# KiCad board final-memory.kicad_pcb (continued)
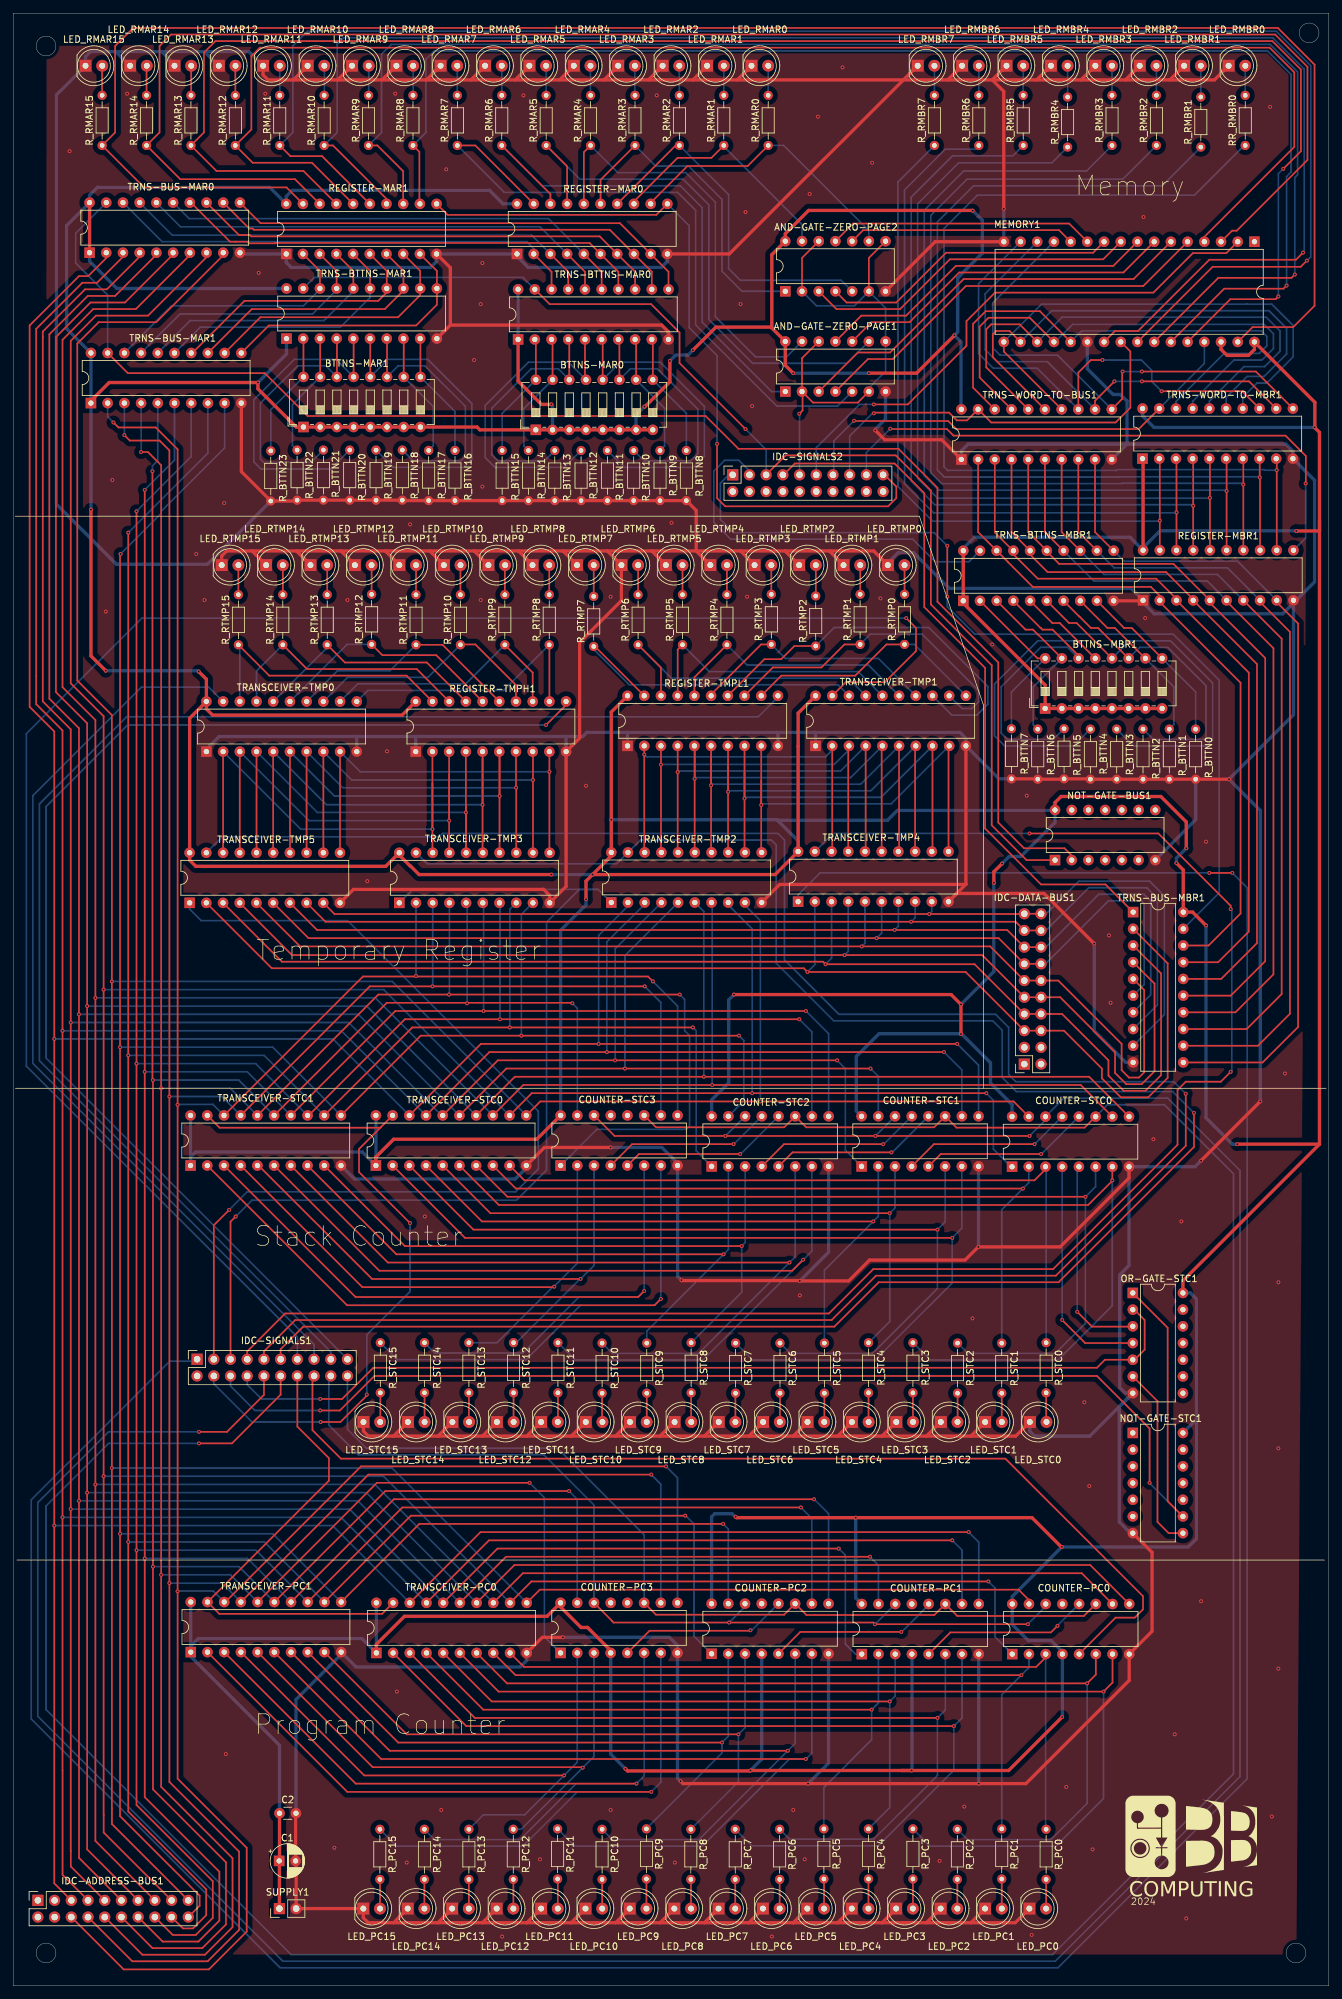
[diagram p0: board, top side]
## Routing (per net, layer and track width the routed paths; a pad name or vN(x,y) marks a point on that pad's centre or on a via; arc(x,y) is an arc through that point) (continued)
VCC: length 1854.4
  Top w0.5: v1(178.34,173.01) 178.33,173.02 178.33,177.01 174.46,180.87 159.29,180.87 158.38,179.95 NOT-GATE-BUS1.14 ; REGISTER-TMPH1.20 59.12,193.25 30.31,193.25 29.38,194.19 TRANSCEIVER-TMP0.20 ; BTTNS-MAR0.8 BTTNS-MAR0.7 BTTNS-MAR0.6 BTTNS-MAR0.5 BTTNS-MAR0.4 BTTNS-MAR0.3 BTTNS-MAR0.2 BTTNS-MAR0.1 70.95,236.63 70.52,237.06 BTTNS-MAR1.8 BTTNS-MAR1.7 BTTNS-MAR1.6 BTTNS-MAR1.5 BTTNS-MAR1.4 BTTNS-MAR1.3 BTTNS-MAR1.2 BTTNS-MAR1.1 43.02,237.06 37.21,242.87 v1(37.21,243.82) 14.59,243.82 11.83,241.06 TRNS-BUS-MAR1.1 ; 198.58,128 177.82,107.24 OR-GATE-STC1.14 ; 198.58,128 198.58,222.75 ; 198.58,128 v1(186.08,128) ; v1(88.08,169) 90.92,171.84 TRANSCEIVER-TMP2.20 v1(90.92,177.34) 90.92,193.72 REGISTER-TMPL1.20 ; v1(88.08,169) 87.08,168 v1(87.08,165.25) ; v1(88.08,169) 115.82,169 TRANSCEIVER-TMP4.20 119.32,188.5 119.33,188.5 119.33,193.55 TRANSCEIVER-TMP1.20 ; BTTNS-MBR1.8 BTTNS-MBR1.7 BTTNS-MBR1.6 BTTNS-MBR1.5 BTTNS-MBR1.4 BTTNS-MBR1.3 BTTNS-MBR1.2 BTTNS-MBR1.1 156.88,197.83 144.43,210.27 TRNS-BTTNS-MBR1.1 TRNS-BTTNS-MBR1.20 ; 115.32,252.12 AND-GATE-ZERO-PAGE1.14 117.38,246.45 v1(118.58,245.25) ; 115.32,252.12 115.19,252.25 106.83,252.25 v1(103.33,248.75) ; 115.32,252.12 115.32,263.27 AND-GATE-ZERO-PAGE2.14 117.38,266.45 120.92,270 145.83,270 v1(145.87,269.96) ; TRANSCEIVER-STC0.1 55.14,126.05 57.84,128.75 79.6,128.75 COUNTER-STC3.16 ; v1(14.08,200) 11.83,202.25 v1(11.83,224.5) ; v1(159.42,66.75) 159.33,66.75 154.88,71.2 v1(128.08,71.2) 109.95,71.2 v1(109.83,71.32) ; TRNS-WORD-TO-MBR1.1 171.76,232.17 REGISTER-MBR1.20 ; COUNTER-PC3.4 90.83,50.63 90.83,50.99 87.33,54.49 87.33,54.5 86.33,54.5 83.21,57.62 COUNTER-PC3.16 81.16,56.2 59.48,56.2 55.21,51.93 TRANSCEIVER-PC0.1 ; v1(150.33,170.68) 149.08,169.43 v1(149.08,167.75) ; 198.58,222.75 198.58,236.25 v1(197.83,237) 197.88,237.05 197.88,240.81 MEMORY1.32 188.69,248.86 187.78,247.95 184.53,247.95 183.61,248.87 MEMORY1.30 ; 198.58,222.75 198.58,221.25 v1(195.05,221.25) ; TRANSCEIVER-TMP0.20 29.38,198.7 v1(28.2,199.88) ; TRANSCEIVER-TMP0.20 26.83,192.77 TRANSCEIVER-TMP5.20 26.83,171.19 27.76,170.25 56.62,170.25 TRANSCEIVER-TMP3.20 58.7,171.96 60.39,170.27 60.43,170.27 61.7,169 v1(81.83,169) ; 135.08,32.75 151.33,32.75 v1(159.45,40.88) ; 135.08,32.75 v1(136.58,32.75) ; 135.08,32.75 v1(112.08,32.75) 112.01,32.68 93.4,32.68 v1(93.08,33) ; v1(143.08,251) 137.33,245.25 v1(130.08,245.25) ; v1(181.33,161.25) 179.29,163.29 TRNS-BUS-MBR1.20 177.87,169.71 v1(176.83,170.75) ; TRNS-BTTNS-MAR0.1 76.76,244.05 80.31,240.5 v1(81.83,240.5) ; TRNS-BUS-MAR0.20 TRNS-BUS-MAR0.1 ; C2.1 40.49,19.06 C1.1 40.48,18.96 SUPPLY1.1 ; v1(95.95,240.16) 96.04,240.16 99.83,243.94 v1(99.83,247.1) ; v1(144.08,144.75) v1(144.08,149.25) 142.58,150.75 v1(109.58,150.75)
  Bottom w0.5: BTTNS-MAR0.2 82,240.33 v1(81.83,240.5) ; COUNTER-STC2.16 106.18,134.74 108.78,137.34 108.78,149.95 v1(109.58,150.75) ; v1(197.83,237) 173.42,237 171.68,238.74 TRNS-WORD-TO-MBR1.20 ; BTTNS-MAR0.7 94.69,238.9 v1(95.95,240.16) ; TRNS-BTTNS-MAR1.20 15.75,258.13 11.62,262.27 TRNS-BUS-MAR0.1 ; v1(186.08,128) 185.33,128 181.33,132 v1(181.33,161.25) ; COUNTER-PC1.16 128.08,58.99 v1(128.08,71.2) ; COUNTER-PC3.4 90.83,35.25 v1(93.08,33) ; TRANSCEIVER-TMP4.20 119.32,174.12 116.1,177.34 ; COUNTER-PC1.4 136.62,32.79 v1(136.58,32.75) ; TRANSCEIVER-STC1.20 TRANSCEIVER-STC1.1 26.97,126.05 27.72,126.8 53.09,126.8 TRANSCEIVER-STC0.1 TRANSCEIVER-STC0.20 ; TRNS-BTTNS-MAR1.1 41.55,248.17 v1(37.21,243.82) ; v1(149.08,167.75) 149.08,154.25 v1(144.08,149.25) ; v1(103.33,248.75) 102.58,248 100.73,248 v1(99.83,247.1) ; v1(112.08,32.75) 113.79,34.46 COUNTER-PC2.4 ; TRNS-BTTNS-MBR1.20 144.43,218.61 146.12,220.3 169.78,220.3 REGISTER-MBR1.20 171.76,218.68 174.36,221.28 195.03,221.28 v1(195.05,221.25) ; TRANSCEIVER-PC1.20 TRANSCEIVER-PC1.1 ; TRANSCEIVER-PC1.1 27,51.67 28.13,52.8 53.04,52.8 TRANSCEIVER-PC0.1 TRANSCEIVER-PC0.20 ; TRANSCEIVER-PC1.1 27,50.08 40.49,36.59 C2.1 ; v1(176.83,170.75) 176.83,171.5 v1(178.34,173.01) ; v1(28.2,199.88) 28.08,200 v1(14.08,200) ; REGISTER-MAR0.20 74.46,271 72.41,273.05 42.43,273.05 41.51,272.13 REGISTER-MAR1.20 39.01,273.5 12.79,273.5 11.62,272.32 TRNS-BUS-MAR0.20 8.12,267.7 8.12,252.02 TRNS-BUS-MAR1.20 TRNS-BUS-MAR1.1 11.83,224.5 v1(11.83,224.5) ; v1(87.08,165.25) 87.08,164.38 83.22,160.52 COUNTER-STC3.16 ; 179.87,86.13 179.87,68 178.62,66.75 v1(159.42,66.75) 151.88,59.2 COUNTER-PC0.16 151.88,54.95 154.33,52.5 157.8,52.5 159.5,50.81 COUNTER-PC0.4 159.5,40.92 v1(159.45,40.88) ; 179.87,86.13 NOT-GATE-STC1.14 ; 179.87,86.13 179.87,104.46 178.95,105.38 OR-GATE-STC1.14 ; COUNTER-STC1.16 128.17,133.04 128.17,141.34 131.63,144.8 144.03,144.8 v1(144.08,144.75) 144.13,144.8 144.14,144.8 148.57,140.38 148.57,137.3 151.84,134.02 COUNTER-STC0.16 ; TRNS-WORD-TO-BUS1.20 144.08,239.81 144.08,250 v1(143.08,251) 143.58,251.5 143.58,259.75 147.33,263.5 147.33,268.5 v1(145.87,269.96) ; v1(88.08,169) v1(81.83,169) ; 116.1,177.34 116.19,177.25 132.91,177.25 134.41,178.75 158.31,178.75 NOT-GATE-BUS1.14 158.38,176.93 153.19,171.75 151.4,171.75 v1(150.33,170.68) ; 116.1,177.34 v1(90.92,177.34) ; v1(118.58,245.25) v1(130.08,245.25) ; COUNTER-PC2.16 106.17,71.34 106.63,71.8 109.28,71.8 109.75,71.32 v1(109.83,71.32) ; TRNS-BTTNS-MAR0.20 TRNS-BTTNS-MAR0.1
ADDRESS0: length 602.7
  Top w0.25: TRANSCEIVER-PC0.11 80.07,60.25 152.84,60.25 154.41,58.67 COUNTER-PC0.15 ; COUNTER-STC0.15 152.07,134.5 80.13,134.5 TRANSCEIVER-STC0.11 ; IDC-ADDRESS-BUS1.19 15.01,24.61 15.01,26.99 15,27 15,193.25 9.75,198.5 9.75,249.75 13,253 21.75,253 31.94,263.19 TRNS-BUS-MAR0.9
  Bottom w0.25: v1(15,152.75) 57.62,152.75 TRANSCEIVER-STC0.11 ; TRANSCEIVER-TMP2.9 111.24,164.34 113.58,162 v1(113.58,134.5) ; v1(15,78.75) 57.57,78.75 TRANSCEIVER-PC0.11
ADDRESS1: length 613.4
  Top w0.25: v1(148.25,61.5) 78.78,61.5 TRANSCEIVER-PC0.12 ; TRNS-BUS-MAR0.8 29.39,262.89 20.5,254 12.59,254 8.75,250.16 8.75,198.09 13.75,193.09 13.75,26 13.76,25.99 13.76,23.32 IDC-ADDRESS-BUS1.17 ; v1(147.93,135.75) 78.84,135.75 TRANSCEIVER-STC0.12
  Bottom w0.25: COUNTER-STC0.1 151.68,124.57 149,127.25 149,134.68 v1(147.93,135.75) ; TRANSCEIVER-PC0.12 56.28,77.5 v1(13.75,77.5) ; v1(148.25,61.5) 149.25,60.5 149.25,53.07 COUNTER-PC0.1 ; v1(13.75,151.5) 56.33,151.5 TRANSCEIVER-STC0.12 ; v1(112.33,135.75) 112.33,160.75 108.7,164.38 TRANSCEIVER-TMP2.8
ADDRESS2: length 627.8
  Top w0.25: TRANSCEIVER-STC0.13 77.55,137 v1(106.25,137) 162.28,137 COUNTER-STC0.10 ; TRANSCEIVER-PC0.13 77.49,62.75 162.44,62.75 COUNTER-PC0.10 ; TRNS-BUS-MAR0.7 26.86,263.21 18.64,255 12.17,255 7.5,250.33 7.5,197.5 12.5,192.5 12.5,22.04 IDC-ADDRESS-BUS1.15
  Bottom w0.25: TRANSCEIVER-TMP2.7 106.25,164.66 v1(106.25,137) ; v1(12.5,76.25) 54.99,76.25 TRANSCEIVER-PC0.13 ; v1(12.5,150.25) 55.04,150.25 TRANSCEIVER-STC0.13
ADDRESS3: length 633.7
  Top w0.25: COUNTER-PC0.9 163.72,64 76.2,64 TRANSCEIVER-PC0.14 ; COUNTER-STC0.9 163.56,138.25 76.26,138.25 TRANSCEIVER-STC0.14 ; IDC-ADDRESS-BUS1.13 11.25,20.75 11.25,192 6.5,196.75 6.5,250.74 11.76,256 17,256 24.31,263.31 TRNS-BUS-MAR0.6
  Bottom w0.25: TRANSCEIVER-PC0.14 53.7,75 v1(11.25,75) ; v1(105,138.25) 105,163.37 TRANSCEIVER-TMP2.6 ; v1(11.25,149) 53.75,149 TRANSCEIVER-STC0.14
ADDRESS4: length 567.6
  Top w0.25: v1(130.25,65.25) 74.91,65.25 TRANSCEIVER-PC0.15 ; TRNS-BUS-MAR0.5 21.78,263.27 15.5,257 11.34,257 5.5,251.16 5.5,195.75 10,191.25 10,33.25 ; v1(130.33,139.5) 74.97,139.5 TRANSCEIVER-STC0.15 ; 10.01,33.24 10.01,19.45 IDC-ADDRESS-BUS1.11
  Bottom w0.25: TRANSCEIVER-STC0.15 52.46,147.75 v1(10,147.75) ; v1(130.25,65.25) 131.54,63.96 COUNTER-PC1.15 ; v1(93,139.5) 93,156.67 TRANSCEIVER-TMP2.5 ; v1(10,73.75) 52.41,73.75 TRANSCEIVER-PC0.15 ; COUNTER-STC1.15 131.51,138.32 v1(130.33,139.5)
ADDRESS5: length 576.9
  Top w0.25: TRANSCEIVER-STC0.16 73.68,140.75 v1(125.25,140.75) ; IDC-ADDRESS-BUS1.9 8.76,18.16 8.76,20.49 8.75,20.5 8.75,191.09 4.5,195.34 4.5,251.57 10.93,258 14.25,258 19.23,262.99 TRNS-BUS-MAR0.4 ; v1(125.5,66.5) 73.62,66.5 TRANSCEIVER-PC0.16
  Bottom w0.25: v1(8.75,146.5) 51,146.5 65.13,132.37 ; TRANSCEIVER-PC0.16 51.12,72.5 v1(8.75,72.5) ; v1(125.5,66.5) 126.5,65.5 126.5,52 128.05,50.45 COUNTER-PC1.1 ; COUNTER-STC1.1 126.5,127.09 126.5,139.5 v1(125.25,140.75) ; TRANSCEIVER-TMP2.4 91.5,157.71 v1(91.5,140.75)
ADDRESS6: length 594.8
  Top w0.25: 7.51,32.74 7.51,16.87 IDC-ADDRESS-BUS1.7 ; TRNS-BUS-MAR0.3 16.7,262.94 12.75,259 10.51,259 3.5,251.99 3.5,199.25 3.5,194.92 7.5,190.92 7.5,32.75 ; TRANSCEIVER-STC0.17 72.39,142 v1(141.5,142) ; TRANSCEIVER-PC0.17 72.33,67.75 v1(142.75,67.75)
  Bottom w0.25: COUNTER-PC1.10 144.24,66.26 v1(142.75,67.75) ; v1(90.25,142) 90.25,158.75 96,164.5 TRANSCEIVER-TMP2.3 ; v1(7.5,71.25) 49.83,71.25 TRANSCEIVER-PC0.17 ; TRANSCEIVER-STC0.17 49.88,145.25 v1(7.5,145.25) ; COUNTER-STC1.10 144.21,139.29 v1(141.5,142)
ADDRESS7: length 601
  Top w0.25: TRNS-BUS-MAR0.2 14.16,262.76 11.4,260 10,260 2.5,252.5 2.5,194.51 6.25,190.76 6.25,15.59 IDC-ADDRESS-BUS1.5 ; TRANSCEIVER-PC0.18 71.04,69 v1(145.25,69) ; TRANSCEIVER-STC0.18 71.1,143.25 v1(143.5,143.25)
  Bottom w0.25: TRANSCEIVER-STC0.18 48.59,144 v1(6.25,144) ; TRANSCEIVER-PC0.18 48.54,70 v1(6.25,70) ; COUNTER-PC1.9 146.78,67.47 v1(145.25,69) ; v1(143.5,143.25) 146.75,140 COUNTER-STC1.9 ; v1(89,143.25) 89,159.75 93.46,164.21 TRANSCEIVER-TMP2.2
ADDRESS8: length 493.8
  Top w0.25: TRANSCEIVER-STC1.11 61.96,144.5 v1(110.33,144.5) ; v1(107.92,70.25) 61.74,70.25 TRANSCEIVER-PC1.11 ; v1(16.33,217.75) 16.25,217.68 v1(16.25,142.75) v1(16.25,68.75) 16.25,25.81 28.34,13.71 28.34,12.19 IDC-ADDRESS-BUS1.20
  Bottom w0.25: v1(16.25,142.75) 39.45,142.75 TRANSCEIVER-STC1.11 ; TRANSCEIVER-PC1.11 39.48,68.75 v1(16.25,68.75) ; v1(107.92,70.25) 108.71,69.46 COUNTER-PC2.15 ; v1(110.33,144.5) 111.08,143.75 111.08,134.6 COUNTER-STC2.15 ; TRANSCEIVER-TMP3.9 77.25,162.94 v1(77.25,144.5) ; TRNS-BUS-MAR1.9 32.14,233.89 22.5,224.25 22.5,223.93 v1(16.33,217.75)
ADDRESS9: length 500.1
  Top w0.25: v1(17.5,221) v1(17.5,141.5) v1(17.5,67.5) 17.5,26.51 29.34,14.67 29.34,10.75 27.33,8.74 25.81,8.74 IDC-ADDRESS-BUS1.18 ; v1(102.16,71.5) 60.45,71.5 TRANSCEIVER-PC1.12 ; TRANSCEIVER-STC1.12 60.67,145.75 v1(103.33,145.75)
  Bottom w0.25: v1(17.5,221) 29.61,233.11 TRNS-BUS-MAR1.8 ; v1(17.5,67.5) 38.19,67.5 TRANSCEIVER-PC1.12 ; COUNTER-PC2.1 103.5,53.17 103.5,70.25 102.25,71.5 v1(102.16,71.5) ; COUNTER-STC2.1 104.33,126.47 104.33,126.5 103.82,127 103.82,145.25 v1(103.33,145.75) ; TRANSCEIVER-TMP3.8 75.5,163.72 v1(75.5,145.75) ; v1(17.5,141.5) 38.16,141.5 TRANSCEIVER-STC1.12
ADDRESS10: length 518.5
  Top w0.25: IDC-ADDRESS-BUS1.16 24.27,7.74 27.75,7.74 30.34,10.33 30.34,15.92 18.75,27.51 v1(18.75,66.25) v1(18.75,140.25) v1(18.75,224.25) ; TRANSCEIVER-PC1.13 59.16,72.75 v1(119.75,72.75) ; TRANSCEIVER-STC1.13 44.92,132.37 59.55,147 v1(119.5,147)
  Bottom w0.25: TRNS-BUS-MAR1.7 27.06,232.56 v1(18.75,224.25) ; COUNTER-STC2.10 121.42,145.08 v1(119.5,147) ; v1(119.75,72.75) 121.41,71.09 COUNTER-PC2.10 ; v1(18.75,66.25) 36.9,66.25 TRANSCEIVER-PC1.13 ; v1(74,147) 74,164.63 TRANSCEIVER-TMP3.7 ; v1(18.75,140.25) 36.87,140.25 TRANSCEIVER-STC1.13
ADDRESS11: length 524.1
  Top w0.25: TRANSCEIVER-PC1.14 57.87,74 v1(121.75,74) ; TRANSCEIVER-STC1.14 58.09,148.25 v1(120.5,148.25) ; IDC-ADDRESS-BUS1.14 22.73,6.74 28.16,6.74 31.34,9.92 31.34,17.35 20,28.7 v1(20,227.5)
  Bottom w0.25: v1(20,139) 35.58,139 TRANSCEIVER-STC1.14 ; TRNS-BUS-MAR1.6 24.53,232.03 v1(20,227.5) ; TRANSCEIVER-TMP3.6 71.5,164.59 v1(71.5,148.25) ; TRANSCEIVER-PC1.14 35.61,65 v1(20,65) ; v1(120.5,148.25) 123.96,144.79 COUNTER-STC2.9 ; COUNTER-PC2.9 123.95,71.8 v1(121.75,74)
ADDRESS12: length 451.5
  Top w0.25: v1(85,149.43) 84.93,149.5 56.8,149.5 TRANSCEIVER-STC1.15 ; v1(84.5,75.25) 56.58,75.25 TRANSCEIVER-PC1.15 ; v1(21.17,230.33) 21.17,230.32 21.17,137.82 v1(21.25,137.75) v1(21.25,63.75) 21.25,29.88 32.34,18.79 32.34,9.33 28.75,5.74 21.19,5.74 IDC-ADDRESS-BUS1.12
  Bottom w0.25: TRNS-BUS-MAR1.5 21.98,231.99 21.17,231.17 v1(21.17,230.33) ; v1(21.25,63.75) 34.32,63.75 TRANSCEIVER-PC1.15 ; v1(21.25,137.75) 34.29,137.75 TRANSCEIVER-STC1.15 ; v1(85,149.43) 85.76,148.66 COUNTER-STC3.15 ; COUNTER-PC3.15 85.75,74 v1(84.5,75.25) ; v1(69,149.43) 69,164.56 TRANSCEIVER-TMP3.5
ADDRESS13: length 499.6
  Top w0.25: TRANSCEIVER-PC1.16 55.29,76.5 v1(78.5,76.5) ; v1(101.33,150.75) 55.51,150.75 TRANSCEIVER-STC1.16 ; v1(19.45,233.25) 20.5,233.25 22.5,231.25 v1(22.5,136.5) v1(22.5,62.5) 22.5,30.26 33.34,19.42 33.34,8.92 29.16,4.74 19.64,4.74 IDC-ADDRESS-BUS1.10
  Bottom w0.25: v1(19.45,233.25) TRNS-BUS-MAR1.4 ; TRANSCEIVER-PC1.16 33.03,62.5 v1(22.5,62.5) ; TRANSCEIVER-TMP3.4 66.31,150.81 v1(66.25,150.75) ; v1(101.33,150.75) 102.08,150 102.08,145.25 102.82,144.5 102.82,130.75 102.33,130.25 88.72,130.25 COUNTER-STC3.1 ; v1(78.5,76.5) 80.75,74.25 80.75,53.09 COUNTER-PC3.1 ; TRANSCEIVER-STC1.16 33,136.5 v1(22.5,136.5)
ADDRESS14: length 487.3
  Top w0.25: TRANSCEIVER-STC1.17 54.22,152 v1(96,152) ; v1(97,77.75) 54,77.75 TRANSCEIVER-PC1.17 ; IDC-ADDRESS-BUS1.8 18.11,3.74 29.57,3.74 34.34,8.51 34.34,20.42 23.75,31.01 v1(23.75,61.25) v1(23.75,135.25) 23.75,233.5 22.25,235 17.73,235 v1(16.91,235.82)
  Bottom w0.25: v1(96,152) 98.46,149.54 COUNTER-STC3.10 ; v1(97,77.75) 98.45,76.3 COUNTER-PC3.10 ; TRANSCEIVER-STC1.17 31.71,135.25 v1(23.75,135.25) ; TRANSCEIVER-PC1.17 31.74,61.25 v1(23.75,61.25) ; v1(16.91,235.82) TRNS-BUS-MAR1.3 ; v1(63.75,152) 63.78,152.03 TRANSCEIVER-TMP3.3
ADDRESS15: length 496.9
  Top w0.25: v1(99.25,79) 52.88,79 32.25,58.37 TRANSCEIVER-PC1.18 ; v1(15.25,237.75) 16,237 21.66,237 25,233.66 v1(25,134) v1(25,60) 25,31.5 35.5,21 35.5,8.25 29.75,2.5 16.8,2.5 IDC-ADDRESS-BUS1.6 ; TRANSCEIVER-STC1.18 53.18,153.5 61.16,153.5 v1(61.23,153.57) 61.31,153.5 96.5,153.5 v1(97.25,152.75)
  Bottom w0.25: TRANSCEIVER-PC1.18 30.41,60.05 25.05,60.05 ; v1(99.25,79) 100.99,77.26 COUNTER-PC3.9 ; v1(25,134) 25.05,134.04 30.38,134.04 TRANSCEIVER-STC1.18 ; v1(97.25,152.75) 101,149 COUNTER-STC3.9 ; v1(61.23,153.57) TRANSCEIVER-TMP3.2 ; v1(15.25,237.75) 14.37,238.63 TRNS-BUS-MAR1.2
DATA0: length 158.3
  Top w0.25: IDC-DATA-BUS1.20 IDC-DATA-BUS1.19 153.67,163 v1(139.25,163) 48.84,163 TRANSCEIVER-TMP5.9
  Bottom w0.25: TRANSCEIVER-TMP4.9 139.65,163.4 v1(139.25,163) ; TRNS-BUS-MBR1.9 175,147.72 175,165.74 172.74,168 162,168 157.04,163.04 IDC-DATA-BUS1.20
DATA1: length 159.1
  Top w0.25: IDC-DATA-BUS1.18 IDC-DATA-BUS1.17 152.38,161.82 v1(136.5,161.82) 47.48,161.82 TRANSCEIVER-TMP5.8
  Bottom w0.25: TRNS-BUS-MBR1.8 173.93,149.19 173.93,165.4 172.33,167 163.5,167 157,160.5 IDC-DATA-BUS1.18 ; v1(136.5,161.82) 137.1,162.43 TRANSCEIVER-TMP4.8
DATA2: length 160
  Top w0.25: TRANSCEIVER-TMP5.7 46.19,160.57 v1(134,160.57) 151.09,160.57 IDC-DATA-BUS1.15 IDC-DATA-BUS1.16
  Bottom w0.25: TRNS-BUS-MBR1.7 172.93,150.72 172.93,164.99 171.91,166 165,166 156.96,157.96 IDC-DATA-BUS1.16 ; v1(134,160.57) 134.56,161.14 TRANSCEIVER-TMP4.7
DATA3: length 160.9
  Top w0.25: TRANSCEIVER-TMP5.6 44.9,159.32 v1(131.25,159.32) 149.81,159.32 IDC-DATA-BUS1.13 IDC-DATA-BUS1.14
  Bottom w0.25: v1(131.25,159.32) 132.03,160.1 TRANSCEIVER-TMP4.6 ; IDC-DATA-BUS1.14 156.92,155.42 166.5,165 171.5,165 171.93,164.57 171.93,152.26 TRNS-BUS-MBR1.6
DATA4: length 170.5
  Top w0.25: TRANSCEIVER-TMP5.5 43.61,158.07 v1(129,158.07) 148.52,158.07 IDC-DATA-BUS1.11 IDC-DATA-BUS1.12 158.87,152.88 168.5,143.25 168.5,139.25 169.62,138.12 171.12,138.12 171.93,138.93 171.93,151.46 TRNS-BUS-MBR1.5
  Bottom w0.25: v1(129,158.07) 129.49,158.56 TRANSCEIVER-TMP4.5
DATA5: length 179.4
  Top w0.25: TRANSCEIVER-TMP5.4 42.39,156.75 v1(126.39,156.75) 147.3,156.75 IDC-DATA-BUS1.9 IDC-DATA-BUS1.10 159.16,150.34 167.5,142 167.5,138.84 169.21,137.12 171.54,137.12 173.5,139.09 173.5,152.42 TRNS-BUS-MBR1.4
  Bottom w0.25: TRANSCEIVER-TMP4.4 126.94,157.31 v1(126.39,156.75)
DATA6: length 188.1
  Top w0.25: TRNS-BUS-MBR1.3 174.5,153.96 174.5,138.5 172.12,136.12 168.8,136.12 166.5,138.42 166.5,140.75 159.45,147.8 IDC-DATA-BUS1.8 IDC-DATA-BUS1.7 146.15,155.37 v1(123.5,155.37) 123.12,155.75 40.86,155.75 TRANSCEIVER-TMP5.3
  Bottom w0.25: v1(123.5,155.37) 124.41,156.27 TRANSCEIVER-TMP4.3
DATA7: length 196.5
  Top w0.25: TRANSCEIVER-TMP5.2 39.31,154.75 120.19,154.75 v1(120.75,154.19) 144.78,154.19 IDC-DATA-BUS1.5 IDC-DATA-BUS1.6 159.74,145.26 165.5,139.5 165.5,138.01 168.38,135.12 172.54,135.12 175.5,138.09 175.5,155.5 TRNS-BUS-MBR1.2
  Bottom w0.25: v1(120.75,154.19) 121.87,155.31 TRANSCEIVER-TMP4.2
MEM_PART: length 83.4
  Top w0.25: MEMORY1.2 184.41,263.5 179.33,263.5 173.33,257.5 149.25,257.5 144.91,253.16 144.91,249.41 136,240.5 v1(130.83,240.5)
  Bottom w0.25: IDC-SIGNALS2.11 122.08,233.93 128.65,240.5 v1(130.83,240.5)
PC0: length 110.1
  Top w0.25: TRANSCEIVER-PC0.9 77.66,48.5 155.5,48.5 156.96,49.95 COUNTER-PC0.3
  Bottom w0.25: R_PC0.1 156.96,23.88 COUNTER-PC0.3
PC1: length 110
  Top w0.25: v1(153.25,47.25) 76.37,47.25 TRANSCEIVER-PC0.8
  Bottom w0.25: R_PC1.1 150.28,44.27 v1(153.25,47.25) 154.41,48.42 COUNTER-PC0.2
PC2: length 140.6
  Top w0.25: TRANSCEIVER-PC0.7 75.08,46 v1(163.25,46) 164.57,47.32 COUNTER-PC0.6
  Bottom w0.25: R_PC2.1 145.1,22.24 157.74,22.24 163.25,27.75 v1(163.25,46)
PC3: length 155.9
  Top w0.25: TRANSCEIVER-PC0.6 73.79,44.75 v1(165.75,44.75) 167.12,46.12 COUNTER-PC0.7
  Bottom w0.25: v1(165.75,44.75) 165.75,28.5 158.49,21.24 139.41,21.24 R_PC3.1
PC4: length 99.2
  Top w0.25: v1(133.25,43.25) 72.75,43.25 TRANSCEIVER-PC0.5
  Bottom w0.25: R_PC4.1 133.25,27.11 v1(133.25,43.25) 134.08,44.08 COUNTER-PC1.3
PC5: length 101.3
  Top w0.25: v1(130.5,42) 71.46,42 TRANSCEIVER-PC0.4
  Bottom w0.25: R_PC5.1 123.24,30.16 130.5,37.42 v1(130.5,42) 131.54,43.04 COUNTER-PC1.2
PC6: length 131.9
  Top w0.25: v1(140.5,40.75) 70.17,40.75 TRANSCEIVER-PC0.3
  Bottom w0.25: R_PC6.1 118.03,22.3 130.8,22.3 140.5,32 v1(140.5,40.75) 141.7,41.95 COUNTER-PC1.6
PC7: length 147.1
  Top w0.25: TRANSCEIVER-PC0.2 68.88,39.5 v1(143,39.5)
  Bottom w0.25: R_PC7.1 112.28,21.3 131.5,21.3 143,32.8 v1(143,39.5) 144.24,40.74 COUNTER-PC1.7
PC8: length 98.2
  Top w0.25: TRANSCEIVER-PC1.9 59.82,38.25 v1(110.25,38.25)
  Bottom w0.25: COUNTER-PC2.3 111.25,39.25 v1(110.25,38.25) 110.25,31.05 R_PC8.1
PC9: length 100.5
  Top w0.25: v1(107.75,37) 58.53,37 TRANSCEIVER-PC1.8
  Bottom w0.25: R_PC9.1 96.27,23.94 107.75,35.42 v1(107.75,37) 108.71,37.96 COUNTER-PC2.2
PC10: length 131.4
  Top w0.25: v1(117.75,35.75) 57.24,35.75 TRANSCEIVER-PC1.7
  Bottom w0.25: R_PC10.1 91.1,22.24 104.24,22.24 v1(117.75,35.75) 118.87,36.87 COUNTER-PC2.6
PC11: length 148.2
  Top w0.25: TRANSCEIVER-PC1.6 55.95,34.5 v1(120.5,34.5)
  Bottom w0.25: R_PC11.1 85.4,21.24 104.74,21.24 118,34.5 v1(120.5,34.5) 121.41,35.41 COUNTER-PC2.7
PC12: length 89.3
  Top w0.25: v1(86.58,33.17) 86.5,33.25 54.66,33.25 TRANSCEIVER-PC1.5
  Bottom w0.25: R_PC12.1 77.22,23.81 v1(86.58,33.17) 88.29,34.88 COUNTER-PC3.3
PC13: length 94.2
  Top w0.25: v1(83.75,32) 53.37,32 TRANSCEIVER-PC1.4
  Bottom w0.25: R_PC13.1 71.47,26 77.75,26 v1(83.75,32) 85.75,34 COUNTER-PC3.2
PC14: length 127.7
  Top w0.25: TRANSCEIVER-PC1.3 52.08,30.75 v1(94.75,30.75)
  Bottom w0.25: R_PC14.1 64.09,22.24 77.06,22.24 85.58,30.75 v1(94.75,30.75) 95.91,31.91 COUNTER-PC3.6
PC15: length 143.7
  Top w0.25: TRANSCEIVER-PC1.2 50.79,29.5 v1(97,29.5)
  Bottom w0.25: COUNTER-PC3.7 98.45,30.95 v1(97,29.5) 85.75,29.5 77.48,21.24 58.31,21.24 R_PC15.1
PC_RST: length 147.5
  Top w0.25: COUNTER-PC3.14 91,55.54 91,55.5 91.25,55.25 v1(108.83,55.25) 130.75,55.25 v1(131,55) v1(154.25,55)
  Bottom w0.25: IDC-SIGNALS1.18 48,92.47 48,85.25 52.5,80.75 80.66,80.75 88.29,73.12 COUNTER-PC3.14 ; COUNTER-PC0.14 156.96,57.7 v1(154.25,55) ; COUNTER-PC2.14 111.25,57.67 v1(108.83,55.25) ; COUNTER-PC1.14 131.01,55 v1(131,55)
PC_TICK: length 159.6
  Top w0.25: IDC-SIGNALS1.16 45.5,92.51 45.5,84.5 49.83,80.18 150.82,80.18 171.75,59.25 171.75,57.25 170.5,56 167.59,56 COUNTER-PC0.5
REG_MAR_LOAD: length 117.1
  Top w0.25: IDC-SIGNALS2.19 132.46,229.79 134.25,228 134.25,226.25 133,225 108.25,225 107,226.25 v1(107,234.5) ; REGISTER-MAR1.11 66.05,269.32 97.78,269.32 REGISTER-MAR0.11
  Bottom w0.25: v1(107,234.5) 107,247.92 102.75,252.17 102.75,267.7 REGISTER-MAR0.11
REG_MBR_LOAD: length 88.5
  Top w0.25: v1(196.48,228.48) 196.5,228.5 196.5,232.66 193.41,235.75 142.94,235.75 141.94,236.75 133.37,236.75 v1(133.32,236.8)
  Bottom w0.25: v1(133.32,236.8) 129.7,233.17 IDC-SIGNALS2.17 ; REGISTER-MBR1.11 196.48,220.18 v1(196.48,228.48)
REG_MBR_WORD_DIR: length 106.7
  Top w0.25: TRNS-BUS-MBR1.1 166.04,167.5 156.25,167.5 147.75,176 147.75,200.42 138.5,209.67 138.5,227 133.99,231.51 118.83,231.51 117.1,229.79 IDC-SIGNALS2.7
REG_TMP_ADDRESS_DIR: length 153.7
  Top w0.25: v1(33.83,117) 33.04,116.21 IDC-SIGNALS1.5
  Bottom w0.25: TRANSCEIVER-TMP3.1 60.75,166.75 88.92,166.75 ; TRANSCEIVER-TMP2.1 88.92,166.75 ; 88.92,166.75 86.08,166.75 81.08,161.75 81.08,124.05 76.53,119.5 36.33,119.5 v1(33.83,117)
REG_TMPH_DATA_DIR: length 148.7
  Top w0.25: v1(32.83,118) 30.5,115.67 IDC-SIGNALS1.3
  Bottom w0.25: v1(32.83,118) 35.58,120.75 76.37,120.75 79.83,124.21 79.83,133 50.83,162 28.58,162 26.83,163.75 TRANSCEIVER-TMP5.1
REG_TMPH_LOAD: length 189
  Top w0.25: REGISTER-TMPH1.11 84.06,194.81 v1(81,191.75)
  Bottom w0.25: v1(81,191.75) 17.41,191.75 5,179.34 5,141.11 IDC-SIGNALS1.19
REG_TMPL_DATA_DIR: length 486.5
  Top w0.25: v1(185.33,169.25) v1(181.83,169.25)
  Bottom w0.25: v1(185.33,169.25) 187.58,167 187.58,31.5 158.83,2.75 40.58,2.75 2.75,40.58 2.75,73.91 23.84,95 27.67,95 ; v1(181.83,169.25) 122.65,169.25 119.32,165.93 TRANSCEIVER-TMP4.1
REG_TMPL_LOAD: length 222
  Bottom w0.25: REGISTER-TMPL1.11 116.25,195.97 113.28,193 17.25,193 4,179.75 4,140.7 48.28,96.42 IDC-SIGNALS1.17
RMAR0: length 43.9
  Top w0.25: R_RMAR0.1 111.65,276.75 102.5,276.75 96.91,271.16 REGISTER-MAR0.12
  Bottom w0.25: R_RMAR0.1 117.12,279.88 130.07,266.93 AND-GATE-ZERO-PAGE2.9
RMAR1: length 37
  Top w0.25: REGISTER-MAR0.13 94.37,271.37 101,278 106.15,278 R_RMAR1.1
  Bottom w0.25: AND-GATE-ZERO-PAGE2.13 119.91,267.83 108.03,279.73 R_RMAR1.1
RMAR2: length 54.6
  Top w0.25: REGISTER-MAR0.14 100.71,279.88
  Bottom w0.25: R_RMAR2.1 108.75,272.4 108.75,261.16 110.54,259.38 125.86,259.38 AND-GATE-ZERO-PAGE2.5
RMAR3: length 49.5
  Top w0.25: R_RMAR3.1 89.29,274.64 REGISTER-MAR0.15
  Bottom w0.25: R_RMAR3.1 97.66,276.75 102.66,276.75 107.75,271.66 107.75,260.75 110.8,257.7 AND-GATE-ZERO-PAGE2.1
RMAR4: length 65.9
  Top w0.25: REGISTER-MAR0.16 86.75,278.86 R_RMAR4.1
  Bottom w0.25: R_RMAR4.1 91.91,275.75 102.24,275.75 106.75,271.24 106.75,253.83 112.83,247.75 117.59,247.75 AND-GATE-ZERO-PAGE1.13
RMAR5: length 84.5
  Top w0.25: R_RMAR5.1 84.21,276.69 REGISTER-MAR0.17
  Bottom w0.25: R_RMAR5.1 86.16,274.75 101.83,274.75 105.75,270.83 105.75,253.41 112.41,246.75 126.75,246.75 AND-GATE-ZERO-PAGE1.9
RMAR6: length 80.7
  Top w0.25: R_RMAR6.1 81.67,272.49 REGISTER-MAR0.18
  Bottom w0.25: R_RMAR6.1 80.41,273.75 101.41,273.75 104.75,270.41 104.75,253 115.3,242.45 AND-GATE-ZERO-PAGE1.1
RMAR7: length 102.8
  Top w0.25: R_RMAR7.1 70.25,279.88 REGISTER-MAR0.19
  Bottom w0.25: AND-GATE-ZERO-PAGE1.5 125.34,240.25 116.09,240.25 103.75,252.59 103.75,270 101,272.75 74.66,272.75 R_RMAR7.1
RMAR8: length 210.3
  Top w0.25: v1(193.58,258.57) 193.1,258.1 184.09,258.1 MEMORY1.27 ; REGISTER-MAR1.12 61.75,271.08 61.75,278.9 R_RMAR8.1
  Bottom w0.25: v1(193.58,258.57) 193.58,275.17 194.25,275.84 194.25,290.67 190.67,294.25 64,294.25 62.75,293 62.75,281.86 R_RMAR8.1
RMAR9: length 224.8
  Top w0.25: v1(194.83,260.25) 194.33,259.75 183.2,259.75 MEMORY1.26 ; REGISTER-MAR1.13 59.29,275.96 55.37,279.88 R_RMAR9.1
  Bottom w0.25: v1(194.83,260.25) 194.83,275 195.25,275.43 195.25,291.09 191.09,295.25 57.5,295.25 56,293.75 56,281.86 R_RMAR9.1
RMAR10: length 243
  Top w0.25: R_RMAR10.1 48.62,279.88 56.75,271.75 REGISTER-MAR1.14 ; MEMORY1.23 167.5,251.68 171,251.68 181.83,262.5 194.99,262.5 v1(196.07,263.58)
  Bottom w0.25: R_RMAR10.1 49.25,281.86 49.25,295.25 50.25,296.25 191.5,296.25 196.25,291.5 196.25,263.76 v1(196.07,263.58)
RMAR11: length 251.9
  Top w0.25: MEMORY1.25 182.34,261.43 195.72,261.43 v1(196.65,262.36) ; REGISTER-MAR1.15 46.96,278.25 42.15,278.25 R_RMAR11.1
  Bottom w0.25: v1(196.65,262.36) 196.69,262.36 197.25,262.92 197.25,292 192,297.25 44.75,297.25 42.5,295 42.5,281.86 R_RMAR11.1
RMAR12: length 228.2
  Top w0.25: MEMORY1.4 181.07,265.98 194.75,279.66 194.75,291 191,294.75 37.5,294.75 36.21,293.46 36.21,282.31 R_RMAR12.1 36.41,277.25 45.42,277.25 REGISTER-MAR1.16
RMAR13: length 262.6
  Top w0.25: REGISTER-MAR1.17 44.13,276 30.91,276 R_RMAR13.1 29,281.86 29,294 30.75,295.75 191.42,295.75 195.75,291.42 195.75,279 193.08,276.33 v1(193.07,276.33) ; v1(192.33,256.93) 191.9,256.5 185.03,256.5 MEMORY1.28
  Bottom w0.25: v1(192.33,256.93) 192.33,275.58 v1(193.07,276.33)
RMAR14: length 255.6
  Top w0.25: REGISTER-MAR1.18 42.84,274.75 25.41,274.75 R_RMAR14.1 22.25,281.86 22.25,295 24,296.75 191.84,296.75 196.75,291.84 196.75,277.67 185.99,266.92 185.28,266.92 MEMORY1.3